# Altium PCB PCB3.PcbDoc (part 6 of 8)
Units mil, origin at the board's own origin, x right, y up, seen from the top; angles counter-clockwise.
Board outline 4763.78 x 6574.87 mil, 6 copper layers (Top Layer, GND, ADDR, DATA, VCC, Bottom Layer), stack 77.691 mil thick; 402 components, 418 nets, 1809 pads, 1202 vias.
Unrouted connection lines stored in the file: 117.
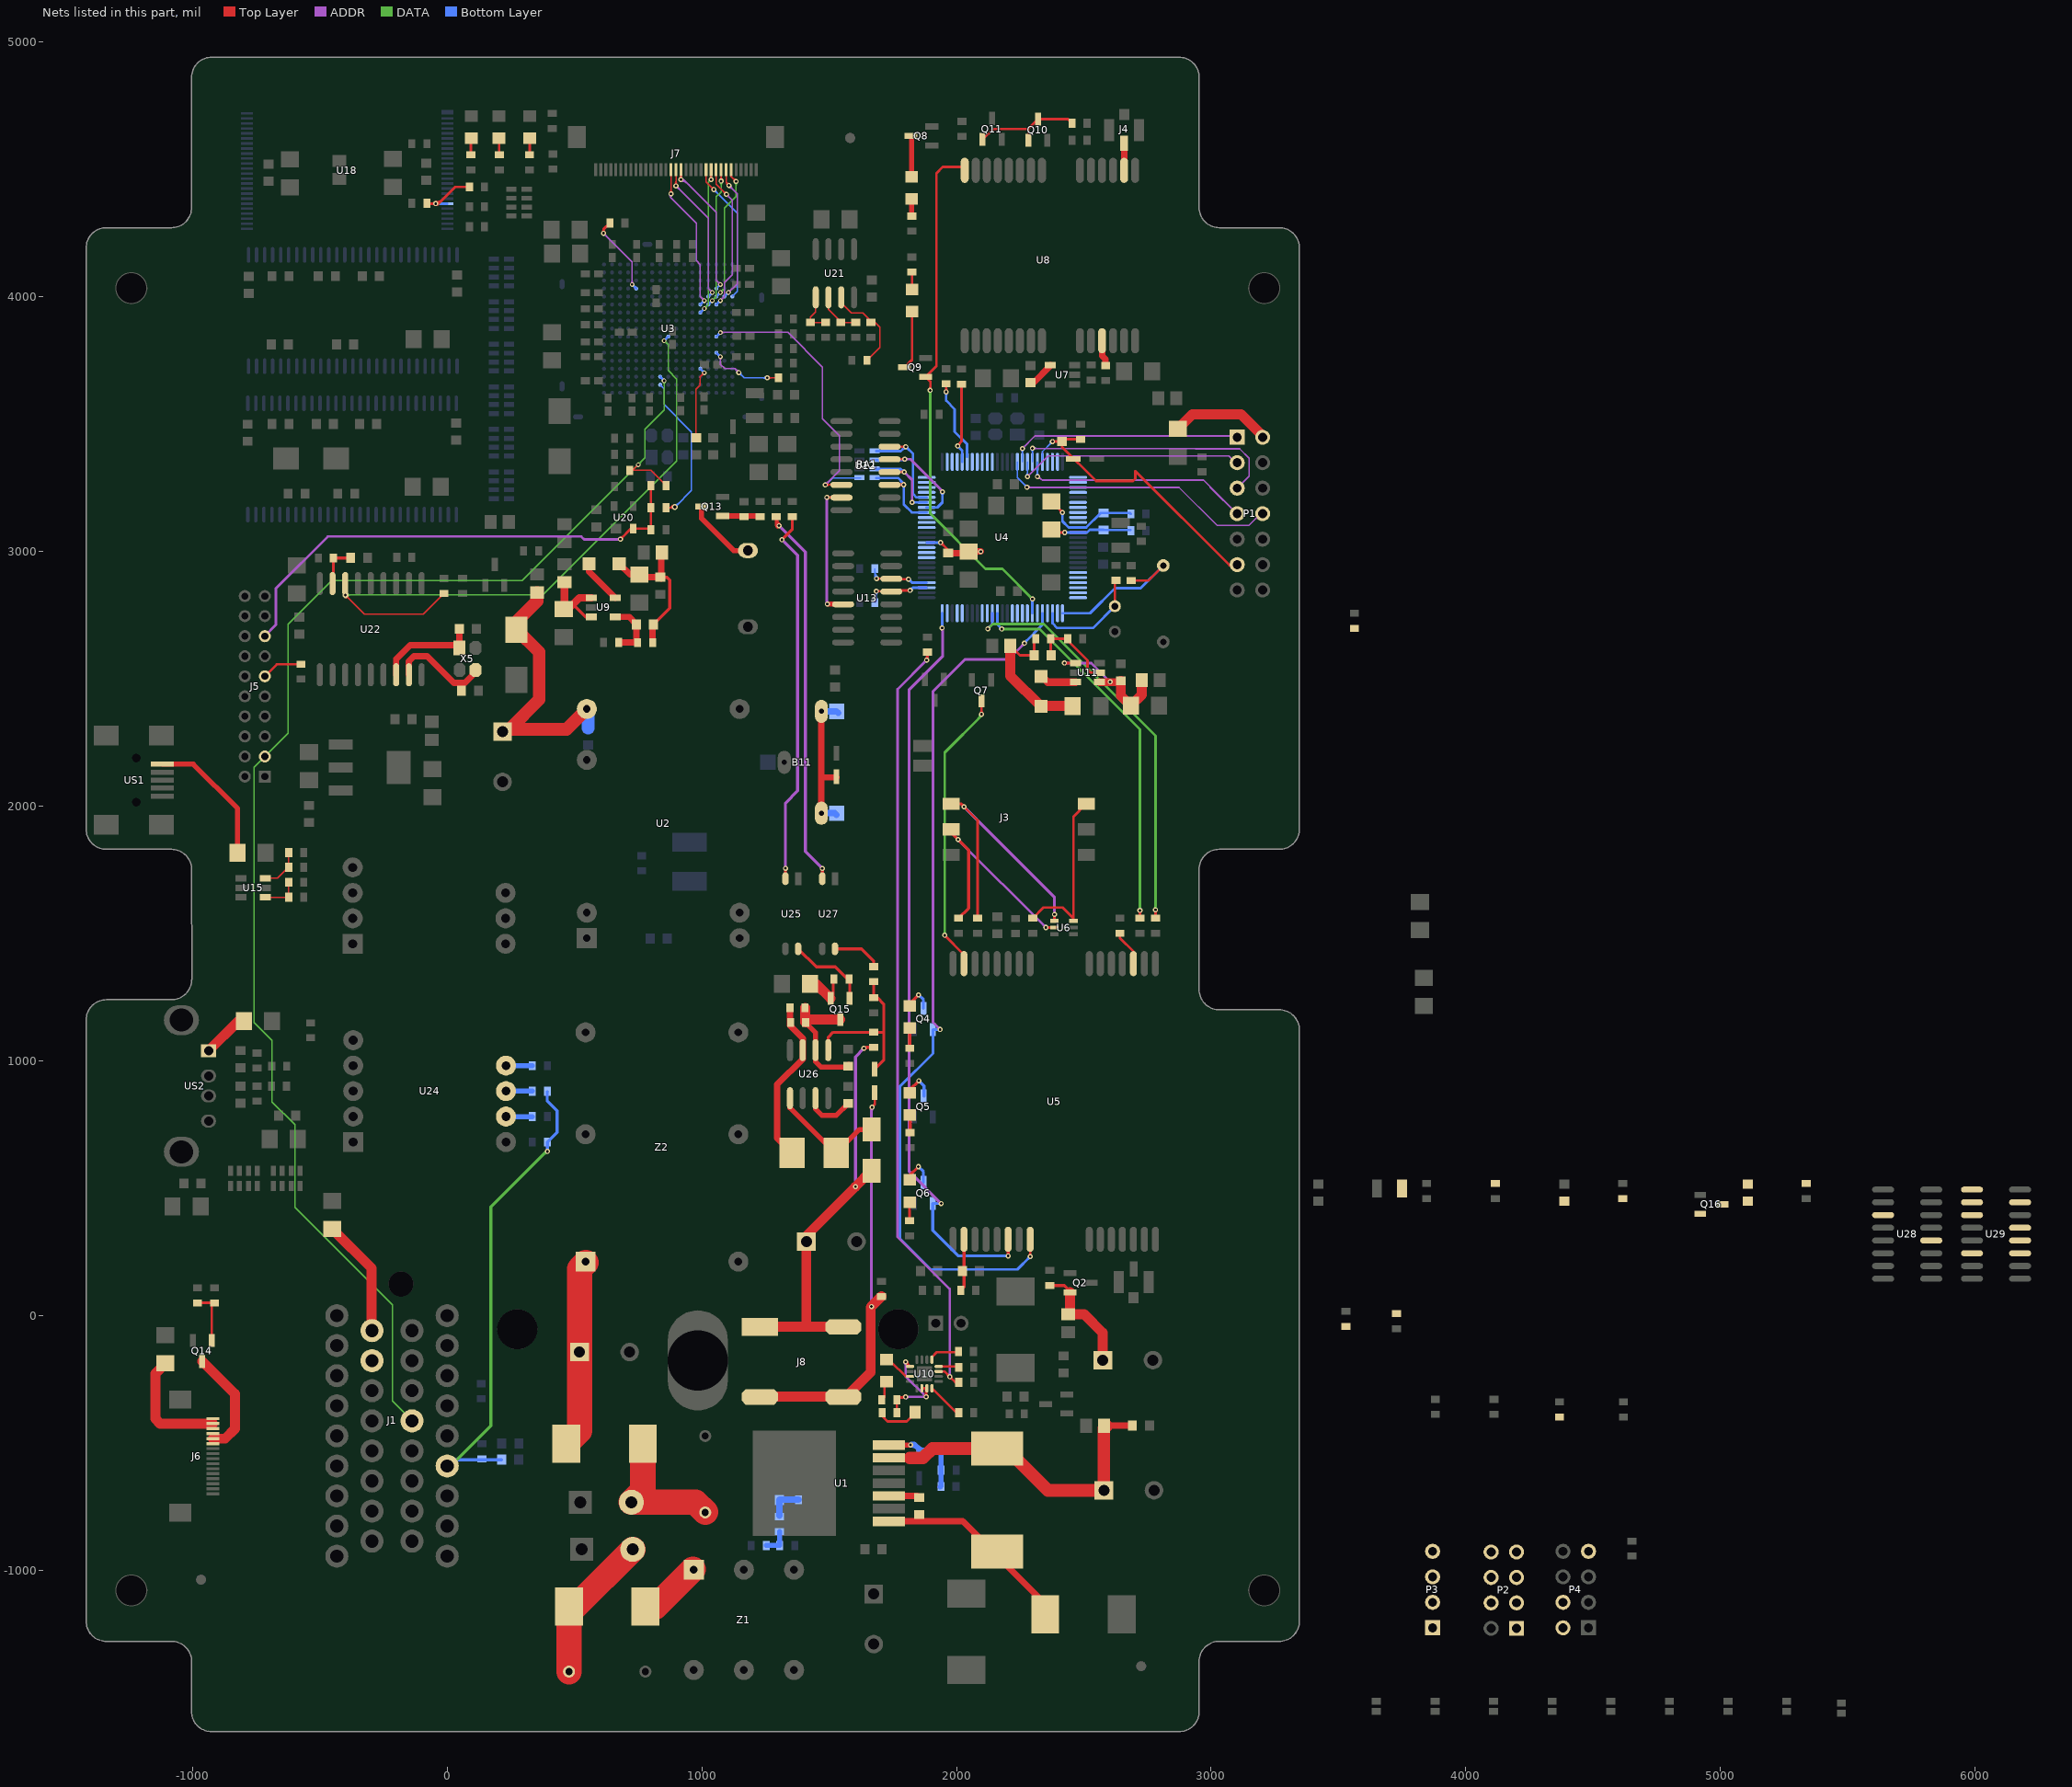
[diagram p10: the nets of this part, all layers, seen from the top]

## Via types
v1: diameter 18, hole 10, Top Layer to Bottom Layer, tented both sides, 404 vias
v2: diameter 20, hole 10, Top Layer to Bottom Layer, tented both sides, 379 vias
v3: diameter 25, hole 15, Top Layer to Bottom Layer, tented both sides, 363 vias
v4: diameter 23.62, hole 11.81, Top Layer to Bottom Layer, tented both sides, 51 vias
v5: diameter 50, hole 28, Top Layer to Bottom Layer, tented both sides, 4 vias
v6: diameter 30, hole 15, Top Layer to Bottom Layer, tented both sides, 1 vias

## Nets (pads, with @x,y where several pads share a name; then routed paths per layer and width w, separated by ;. In a path a pad name is that pad's centre, name@x,y a point inside that pad or via, vN(x,y) a via of type N, cw(c..) or ccw(c..) an arc to the next point about the centre after c; other vN are vias at no path point) (continued)
LVD13: J7.16 U3.R4 | length 707.3
  Top Layer w5: v2@912.85,4466.09 ccw(c900.04,4478.89) 918.15,4478.89 ccw(c936.26,4478.89) v2@923.45,4466.09 ; v2(918.15,4460.79) J7.16@918.15,4499.87
  ADDR w5: v2@918.15,4453.29 cw(c918.15,4409.04) 949.44,4440.33 ; v2@918.15,4458.29 cw(c918.15,4426.11) 940.9,4448.86 ; v2(918.15,4460.79) 928.98,4460.79 ; v2@918.15,4463.29 cw(c918.15,4443.18) 932.37,4457.4 ; v2@925.17,4458.15 cw(c928.98,4456.72) 928.98,4460.79 ; v2@925.17,4463.42 ccw(c928.98,4464.85) 928.98,4460.79 ; v1@1066.31,4048.66 ccw(c1050.61,4048.66) 1061.71,4059.76 ccw(c1072.81,4070.85) v1@1072.81,4055.16 ; v1(1072.81,4048.66) 1057.06,4064.41 1057.06,4332.7 928.98,4460.79
  Bottom Layer w5: U3.R4@1057.06,4032.92 v1(1072.81,4048.66) ; v1@1066.31,4048.66 cw(c1050.62,4048.66) 1061.71,4037.57 cw(c1072.81,4026.47) v1@1072.81,4042.16
LVD14: J7.17 U3.P5 | length 660.8
  Top Layer w5: v2@893.16,4441.48 ccw(c880.36,4454.29) 898.47,4454.29 ccw(c916.57,4454.29) v2@903.77,4441.48 ; v2(898.47,4436.18) J7.17@898.47,4499.87
  ADDR w5: v2@898.47,4428.68 cw(c898.47,4410.57) 911.27,4423.38 cw(c924.07,4436.18) v2@905.97,4436.18 ; v2(898.47,4436.18) 1025.57,4309.08 1025.57,4032.92 v1(1041.31,4017.17) ; v1@1034.81,4017.17 ccw(c1019.12,4017.17) 1030.22,4028.26 ccw(c1041.31,4039.36) v1@1041.31,4023.67
  Bottom Layer w10: U3.P5@1025.57,4001.42 v1(1041.31,4017.17) ; v1@1037.31,4017.17 cw(c1027.66,4017.17) 1034.49,4010.34 cw(c1041.31,4003.51) v1@1041.31,4013.17
LVD15: J7.18 U3.N6 | length 677.1
  Top Layer w5: v2@873.48,4409.7 ccw(c860.67,4422.5) 878.78,4422.5 ccw(c896.89,4422.5) v2@884.08,4409.7 ; v2(878.78,4404.4) J7.18@878.78,4499.87
  ADDR w5: v2@873.48,4399.09 cw(c865.11,4390.73) 876.94,4390.73 ; 876.94,4389.67 cw(c885.72,4389.67) v2@881.98,4397.61 ; v2@876.94,4402.56 876.94,4389.79 978.09,4288.64 978.09,4142.4 994.07,4126.42 994.07,4001.42 v1(1009.82,3985.67) ; v1@1003.32,3985.67 ccw(c987.63,3985.67) 998.72,3996.77 ccw(c1009.82,4007.86) v1@1009.82,3992.17
  Bottom Layer w10: U3.N6@994.07,3969.92 v1(1009.82,3985.67) ; v1@1005.82,3985.67 cw(c996.16,3985.67) 1002.99,3978.84 cw(c1009.82,3972.02) v1@1009.82,3981.67
LVD18: J7.6 U3.R5 | length 635.6
  Top Layer w5: J7.6@1115,4499.87 1115,4473.58 v2(1134.84,4453.74) ; v2@1127.34,4453.74 ccw(c1109.24,4453.74) 1122.04,4466.54 ccw(c1134.84,4479.35) v2@1134.84,4461.24
  DATA w5: v1(1072.81,4017.17) 1088.81,4033.16 1088.81,4348.15 1134.84,4394.19 v2(1134.84,4453.74) ; v1@1072.81,4023.67 ccw(c1072.81,4039.36) 1083.91,4028.26 ccw(c1095,4017.17) v1@1079.31,4017.17 ; v2@1129.54,4448.44 cw(c1116.74,4435.63) 1134.84,4435.63 cw(c1152.95,4435.63) v2@1140.15,4448.44
  Bottom Layer w10: U3.R5@1057.06,4001.42 v1(1072.81,4017.17) ; v1@1068.81,4017.17 cw(c1059.15,4017.17) 1065.98,4010.34 cw(c1072.81,4003.51) v1@1072.81,4013.17
LVD19: J7.7 U3.T5 | length 632.7
  Top Layer w5: J7.7@1095.32,4499.87 1095.32,4448.98 ; v2@1098.85,4438.85 ccw(c1086.59,4440.25) 1095.32,4448.98 ; v2@1105.44,4445.44 cw(c1104.04,4457.7) 1095.32,4448.98 ; v2(1106.3,4437.99) 1095.32,4448.98
  Top Layer w6: v1(1104.31,4017.17) v1@1109.34,4017.17
  ADDR w5: v1(1104.31,4017.17) 1138.78,4051.64 1138.78,4405.51 v2(1106.3,4437.99) ; v1@1104.31,4023.67 ccw(c1104.31,4039.36) 1115.4,4028.26 ccw(c1126.5,4017.17) v1@1110.81,4017.17 ; v2@1106.3,4430.49 cw(c1106.3,4412.39) 1119.1,4425.19 cw(c1131.91,4437.99) v2@1113.8,4437.99
  Bottom Layer w10: U3.T5@1088.56,4001.42 v1(1104.31,4017.17) ; v1@1100.31,4017.17 cw(c1090.65,4017.17) 1097.48,4010.34 cw(c1104.31,4003.51) v1@1104.31,4013.17
LVD20: J7.8 U3.P6 | length 647.3
  Top Layer w5: v2@1070.33,4459.87 ccw(c1057.52,4472.68) 1075.63,4472.68 ccw(c1093.74,4472.68) v2@1080.93,4459.87 ; v2(1075.63,4454.57) J7.8@1075.63,4499.87
  DATA w5: v1(1041.31,3985.67) 1057.06,4001.42 1057.06,4393.68 1075.79,4412.4 v2@1075.79,4454.41 ; v1@1041.31,3992.17 ccw(c1041.31,4007.86) 1052.41,3996.77 ccw(c1063.51,3985.67) v1@1047.81,3985.67 ; v2@1070.33,4449.27 cw(c1057.15,4436.08) 1075.79,4436.08 ; 1075.79,4436.84 cw(c1093.36,4436.84) v2@1080.93,4449.27
  Bottom Layer w10: U3.P6@1025.57,3969.92 v1(1041.31,3985.67) ; v1@1037.31,3985.67 cw(c1027.66,3985.67) 1034.49,3978.84 cw(c1041.31,3972.02) v1@1041.31,3981.67
LVD21: J7.9 U3.R6 | length 679.3
  Top Layer w5: J7.9@1055.95,4499.87 1055.95,4443.5 v2(1096.89,4402.56) ; v2@1089.39,4402.56 ccw(c1071.28,4402.56) 1084.09,4415.36 ccw(c1096.89,4428.17) v2@1096.89,4410.06
  ADDR w5: v1(1072.81,3985.67) 1088.81,4001.67 1088.81,4023.59 1088.81,4055.34 1120.05,4086.59 1120.05,4379.4 v2(1096.89,4402.56) ; v1@1072.81,3992.17 ccw(c1072.81,4007.86) 1083.91,3996.77 ccw(c1095,3985.67) v1@1079.31,3985.67 ; v2@1096.89,4395.06 cw(c1096.89,4376.95) 1109.69,4389.76 cw(c1122.5,4402.56) v2@1104.39,4402.56
  Bottom Layer w10: U3.R6@1057.06,3969.92 v1(1072.81,3985.67) ; v1@1068.81,3985.67 cw(c1059.15,3985.67) 1065.98,3978.84 cw(c1072.81,3972.02) v1@1072.81,3981.67
LVD22: J7.10 U3.N7 | length 668.4
  Top Layer w5: v2@1030.96,4465.78 ccw(c1018.15,4478.58) 1036.26,4478.58 ccw(c1054.37,4478.58) v2@1041.56,4465.78 ; v2(1036.26,4460.47) J7.10@1036.26,4499.87
  DATA w5: v1(1009.82,3954.17) 1025.57,3969.92 1025.57,4449.78 ; v1@1009.82,3960.67 ccw(c1009.82,3976.37) 1020.92,3965.27 ccw(c1032.01,3954.17) v1@1016.32,3954.17 ; v2@1028.83,4459.46 cw(c1017.43,4457.91) 1025.57,4449.78 ; v2@1035.25,4453.04 ccw(c1033.7,4441.64) 1025.57,4449.78 ; v2(1036.26,4460.47) 1025.57,4449.78
  Bottom Layer w10: U3.N7@994.07,3938.43 v1(1009.82,3954.17) ; v1@1005.82,3954.17 cw(c996.16,3954.17) 1002.99,3947.35 cw(c1009.82,3940.52) v1@1009.82,3950.17
LVD23: J7.11 U3.U5 | length 614.5
  Top Layer w5: J7.11@1016.58,4499.87 1016.58,4452.34 v2(1047.24,4421.67) ; v2@1039.74,4421.67 ccw(c1021.64,4421.67) 1034.44,4434.47 ccw(c1047.24,4447.28) v2@1047.24,4429.17
  Bottom Layer w5: v2@1047.24,4414.17 cw(c1047.24,4396.06) 1060.05,4408.87 cw(c1072.85,4421.67) v2@1054.74,4421.67 ; v2(1047.24,4421.67) 1139.74,4329.17 1139.74,4021.1 U3.U5@1120.05,4001.42
M\R\: J1.16
MNSS1/EINT11/GPG3: P3.4 RA1.4 U4.68 U12.11 | length 410
  Top Layer w10: U12.11@1737.2,3262.6 v2(1792.52,3262.6) ; v2@1788.98,3259.06 ccw(c1780.45,3250.53) 1780.45,3262.6 ccw(c1780.45,3274.67) v2@1788.98,3266.13
  Bottom Layer w10: RA1.4@1684.53,3289.04 1770.02,3289.04 v2@1793.31,3265.75 ; 1781.2,3277.85 cw(c1765.94,3262.6) v2@1787.52,3262.6 ; v2@1788.98,3259.06 cw(c1778.55,3248.63) 1793.31,3248.63 ; 1793.31,3252.43 cw(c1802.69,3252.43) v2@1796.06,3259.06 ; v2@1793.31,3263.78 1793.31,3185.04 1824.8,3153.54 U4.68@1882.87,3153.54
MPLLCAP: C28.1 U3.N14 | length 338.3
  Top Layer w5: C28.1@965.53,3444.33 977.34,3456.14 977.34,3637.25 993.82,3653.73 993.82,3686.21 v1(1009.82,3702.21) ; v1@1003.32,3702.21 cw(c987.63,3702.21) 998.72,3691.11 cw(c1009.82,3680.01) v1@1009.82,3695.71
  Bottom Layer w10: U3.N14@994.07,3717.95 v1(1009.82,3702.21) ; v1@1005.82,3702.21 ccw(c996.16,3702.21) 1002.99,3709.03 ccw(c1009.82,3715.86) v1@1009.82,3706.21
MRST: C42.1 D7.1 P1.11 P2.3 P4.4 Q16.3 R11.2 U4.96 | length 1194.2
  Top Layer w10: v2(2376.97,3432.09) C42.1@2414.37,3432.09 ; v2@2380.5,3428.55 cw(c2389.04,3420.02) 2389.04,3432.09 cw(c2389.04,3444.16) v2@2380.5,3435.62 ; C42.1@2414.37,3427.17 2414.37,3410.43 2548.23,3276.57 2692.91,3276.57 2702.76,3286.42 2702.76,3315.94 3071.85,2946.85 P1.11@3104.33,2946.85 ; C42.1@2418.31,3433.07 2426.18,3440.94 R11.2@2487.2,3440.94
  Bottom Layer w6: U4.96@2337.6,3352.36 2337.6,3392.72 v2@2373.03,3428.15 ; v2@2369.97,3432.09 cw(c2353.07,3432.09) 2365.02,3420.14 cw(c2376.97,3408.19) v2@2376.97,3425.09
MSPICLK1/GPG7: P3.3 RA1.1 U4.71 U12.14 | length 475.3
  Top Layer w10: U12.14@1755.91,3412.4 1756.89,3411.42 v2(1801.18,3411.42) ; v2@1797.65,3407.88 ccw(c1789.11,3399.35) 1789.11,3411.42 ccw(c1789.11,3423.49) v2@1797.65,3414.95
  Bottom Layer w10: RA1.1@1684.53,3394.04 1780.85,3394.04 v2@1798.23,3411.42 ; 1787.6,3400.79 cw(c1801.18,3387.22) 1801.18,3406.42 cw(c1801.18,3394.35) 1809.72,3402.88 cw(c1818.25,3411.42) v2@1806.18,3411.42 ; v2(1801.18,3411.42) 1829.72,3382.87 1829.72,3226.38 1843.5,3212.6 U4.71@1882.87,3212.6
MSPISI1/GPG6: P3.1 RA1.2 U4.69 U12.13 | length 581.5
  Top Layer w10: U12.13@1737.2,3362.6 v2(1796.85,3362.6) ; v2@1793.31,3359.06 ccw(c1784.78,3350.53) 1784.78,3362.6 ccw(c1784.78,3374.67) v2@1793.31,3366.13
  ADDR w10: v2(1796.85,3362.6) 1819.49,3362.6 v2@1946.85,3235.24 ; v2@1800.39,3359.06 cw(c1808.92,3350.53) 1808.92,3362.6 cw(c1808.92,3374.67) v2@1800.39,3366.13 ; 1934.26,3247.83 cw(c1920.68,3234.25) v2@1939.88,3234.25
  Bottom Layer w5: v2@1798.01,3359.04 v2@1800.2,3361.22
  Bottom Layer w10: RA1.2@1684.53,3359.04 v2@1798.01,3359.04 ; 1776.18,3359.04 ccw(c1776.18,3383.27) v2@1793.31,3366.13 ; U4.69@1882.87,3173.23 1925.2,3173.23 1944.88,3192.91 v2(1944.88,3234.25) ; v2@1941.35,3230.72 cw(c1932.81,3222.18) 1944.88,3222.18 cw(c1956.95,3222.18) v2@1948.42,3230.72
MSPISO1/GPG5: P3.2 RA1.3 U4.70 U12.12 | length 453.4
  Top Layer w10: U12.12@1737.2,3312.6 v2(1794.69,3312.6) ; v2@1791.15,3309.06 ccw(c1782.61,3300.53) 1782.61,3312.6 ccw(c1782.61,3324.67) v2@1791.15,3316.13
  ADDR w10: v2@1793.31,3312.01 1795.28,3312.01 1825.79,3281.5 v2(1825.79,3192.91) ; v2@1794.69,3307.6 cw(c1794.69,3295.53) 1803.22,3304.06 cw(c1811.76,3312.6) v2@1799.69,3312.6 ; v2@1822.25,3196.45 ccw(c1813.72,3204.98) 1825.79,3204.98 ccw(c1837.86,3204.98) v2@1829.32,3196.45
  Bottom Layer w10: RA1.3@1684.53,3324.04 1780.3,3324.04 v2@1793.31,3311.02 ; 1781.11,3323.22 ccw(c1794.69,3336.8) v2@1794.69,3317.6 ; v2(1825.79,3192.91) U4.70@1882.87,3192.91 ; v2@1829.32,3189.38 cw(c1837.86,3180.84) 1837.86,3192.91 cw(c1837.86,3204.98) v2@1829.32,3196.45
MTCK: P1.7 P2.4 P4.2 U4.95 | length 1109.2
  ADDR w6: v2@2317.98,3293.29 cw(c2318.83,3281.33) 2327.32,3289.81 ; v2@2318.41,3287.31 cw(c2320.06,3263.96) 2336.61,3280.51 ; v2@2320.87,3296.26 2336.61,3280.51 ; 2996.06,3252.95 P1.7@3103.35,3145.67 ; P1.7@3102.36,3148.82 2970.67,3280.51 2336.61,3280.51
  Bottom Layer w6: v2@2312.96,3299.24 ccw(c2301.01,3311.19) 2317.91,3311.19 ccw(c2334.81,3311.19) v2@2322.86,3299.24 ; v2(2317.91,3294.29) U4.95@2317.91,3352.36
MTDI: P1.3 P2.6 U4.93 | length 985.1
  ADDR w6: v2(2278.54,3294.29) 2360.24,3375.98 3069.88,3375.98 P1.3@3104.33,3341.54 ; v2@2278.54,3301.29 ccw(c2278.54,3318.19) 2290.49,3306.24 ccw(c2302.44,3294.29) v2@2285.54,3294.29
  Bottom Layer w6: v2@2273.59,3299.24 ccw(c2261.64,3311.19) 2278.54,3311.19 ccw(c2295.44,3311.19) v2@2283.49,3299.24 ; v2(2278.54,3294.29) U4.93@2278.54,3352.36
MTDO: P1.1 P2.7 U4.92 | length 984.7
  ADDR w6: v2(2258.86,3404.53) 2308.07,3453.74 3098.43,3453.74 P1.1@3112.2,3439.96 ; v2@2258.86,3411.53 ccw(c2258.86,3428.43) 2270.81,3416.48 ccw(c2282.76,3404.53) v2@2265.86,3404.53
  Bottom Layer w6: v2@2253.91,3399.58 cw(c2241.96,3387.63) 2258.86,3387.63 cw(c2275.76,3387.63) v2@2263.81,3399.58 ; U4.92@2258.86,3352.36 v2(2258.86,3404.53)
MTEST: P1.8 P2.8 P4.7 U4.91 | length 1174.6
  ADDR w6: v2@2275.59,3254.92 v2@2277.56,3252.95 ; v2@2279.53,3254.92 2282.48,3251.97 2874.02,3251.97 3022.64,3103.35 3149.61,3103.35 P1.8@3199.8,3153.54 ; v2@2281.52,3248 cw(c2291.1,3238.43) 2291.1,3251.97 ; v2@2281.52,3257.9 ccw(c2295.85,3272.23) 2295.85,3251.97
  Bottom Layer w6: U4.91@2239.17,3352.36 2239.17,3290.35 v2(2276.57,3252.95) ; v2@2269.57,3252.95 ccw(c2252.68,3252.95) 2264.62,3264.9 ccw(c2276.57,3276.85) v2@2276.57,3259.95
MTMS: P1.5 P2.5 U4.94 | length 1115.3
  ADDR w6: v2(2298.23,3405.51) 2299.48,3404.26 2938.98,3404.26 ; v2@2303.18,3400.56 cw(c2312.11,3391.63) 2312.11,3404.26 ; v2@2303.18,3410.46 ccw(c2318.15,3425.43) 2318.15,3404.26 ; 2938.98,3403.54 3112.2,3403.54 3149.61,3366.14 3149.61,3296.06 P1.5@3102.36,3248.82 ; P1.5@3101.97,3248.43 P1.5@3105.32,3245.08
  Bottom Layer w6: v2@2293.28,3400.56 cw(c2281.33,3388.61) 2298.23,3388.61 cw(c2315.13,3388.61) v2@2303.18,3400.56 ; U4.94@2298.23,3352.36 v2(2298.23,3405.51)
NCON: R20.2 RN3.1 U3.R12 | length 458
  Top Layer w5: v2(1256.89,3682.09) R20.2@1301.19,3682.09 ; v2@1262.2,3676.79 cw(c1275,3663.98) 1275,3682.09 cw(c1275,3700.2) v2@1262.2,3687.39
  ADDR w5: v1@1068.21,3760.6 cw(c1057.12,3749.51) 1072.81,3749.51 cw(c1088.5,3749.51) v1@1077.41,3760.6 ; v1(1072.81,3765.2) 1072.81,3735.26 1090.36,3717.71 1130.72,3717.71 1145.49,3702.94 v2(1145.73,3702.94) ; 1132.52,3715.91 ccw(c1145.73,3729.11) v2@1145.73,3710.44 ; 1133.09,3715.34 cw(c1120.69,3702.94) v2@1138.23,3702.94
  Bottom Layer w5: v2@1144.69,3704.72 1167.32,3682.09 v2(1256.89,3682.09) ; v2@1145.73,3695.44 cw(c1145.73,3675.53) 1159.8,3689.6 ; v2@1153.23,3702.94 ccw(c1169.53,3702.94) 1158,3691.41 ; v2@1251.59,3676.79 ccw(c1238.79,3663.98) 1238.79,3682.09 ccw(c1238.79,3700.2) v2@1251.59,3687.39
  Bottom Layer w10: U3.R12@1057.06,3780.95 v1(1072.81,3765.2) ; v1@1068.81,3765.2 ccw(c1059.15,3765.2) 1065.98,3772.03 ccw(c1072.81,3778.86) v1@1072.81,3769.2
NetB1_1: B1.1 R30.1 | length 79.5
  Top Layer w12: R30.1@1816.93,1049.21 B1.1@1816.93,1128.74
NetB1_2: B1.2 Q4.3 | length 118.3
  Top Layer w12: B1.2@1816.93,1215.75 1816.93,1224.41 v2(1851.38,1258.86)
  Bottom Layer w12: v2(1851.38,1258.86) 1870.08,1240.16 Q4.3@1870.08,1205.71
NetB2_1: B2.1 R31.1 | length 67.6
  Top Layer w12: R31.1@1817.91,718.5 B2.1@1817.91,786.14
NetB2_2: B2.2 Q5.3 | length 131.4
  Top Layer w12: B2.2@1816.93,874.13 1816.93,886.81 v2(1852.36,922.24)
  Bottom Layer w12: v2(1852.36,922.24) 1873.03,901.57 Q5.3@1873.03,862.2
NetB3_1: B3.1 R32.1 | length 73.9
  Top Layer w12: R32.1@1815.94,372.05 1815.94,444.53 B3.1@1816.93,445.51
NetB3_2: B3.2 Q6.3 | length 136.1
  Top Layer w12: B3.2@1816.93,532.52 1816.93,551.18 v2(1850.39,584.65)
  Bottom Layer w12: v2(1850.39,584.65) 1870.08,564.96 Q6.3@1870.08,522.64
NetB4_1: B4.1 R39.1 | length 68.1
  Top Layer w20: B4.1@1823.82,4384.65 1823.82,4317.91 R39.1@1824.8,4316.93
NetB4_2: B4.2 Q8.3 | length 161.5
  Top Layer w20: Q8.3@1820.87,4631.89 1823.82,4628.94 B4.2@1823.82,4471.65
NetB5_1: B5.1 R40.1 | length 68.1
  Top Layer w10: R40.1@1824.78,4097.57 1825.76,4096.59 B5.1@1825.76,4029.86
NetB5_2: B5.2 Q9.3 | length 231.6
  Top Layer w10: Q9.3@1796.26,3723.43 1825.76,3752.93 B5.2@1825.76,3942.85
NetB6_1: B6.1 R49.2 | length 74.4
  Top Layer w10: R49.2@1706.69,-330.71 1717.52,-319.88 B6.1@1717.52,-260.83
NetB7_1: B7.1 R50.2 | length 156.6
  Top Layer w10: R50.2@1706.69,-392.72 1729.33,-415.35 1805.12,-415.35 1837.4,-383.07 B7.1@1837.4,-379.92
NetB8_2: B8.2 R70.1 | length 62.8
  Top Layer w10: R70.1@93.48,4558.23 B8.2@93.48,4621.02
NetB9_2: B9.2 R71.1 | length 64.3
  Top Layer w10: R71.1@323.82,4558.72 B9.2@323.82,4622.99
NetB10_2: B10.2 R72.1 | length 65.2
  Top Layer w10: B10.2@203.74,4622.99 203.74,4559.21 R72.1@204.72,4558.23
NetB11_1: B11.1 D9.1 | length 611.8
  Top Layer w10: D9.1@1527.06,2113.19 D9.1@1529.46,2115.59
  Top Layer w25: B11.1@1466.54,1955.71 1469.49,1958.66 B11.1@1469.49,1972.44 1469.49,2113.19 ; B11.1@1469.49,2372.44 1469.49,2113.19 ; D9.1@1529.53,2113.19 1527.06,2113.19 1469.49,2113.19
  Bottom Layer w25: B11.1@1469.46,1972.85 1522.23,1972.85 B11.1@1528.54,1966.54 ; B11.1@1469.46,2372.85 1528.73,2372.85 B11.1@1535.43,2366.14
NetC2_1: C2.1 D3.2 L1.1 U1.1 | length 789
  Top Layer w25: U1.1@1734.68,-808.15 2024.46,-808.15 2348.46,-1132.15 D3.2@2348.46,-1173.15
NetC2_2: C2.2 U1.3 | length 121.3
  Top Layer w25: U1.3@1734.68,-708.15 1846.93,-708.15 C2.2@1853.35,-714.57
NetC3_1: C3.1 CV2.1 L1.2 LR1.1 U1.6 | length 1260.5
  Top Layer w25: U1.6@1734.68,-558.15 1816.93,-558.15 ; LR1.1@2579.72,-442.91 LR1.1@2579.72,-433.07 ; LR1.1@2588.58,-432.09 C3.1@2690.95,-432.09
  Top Layer w50: 1816.93,-559.06 1868.11,-559.06 1905.51,-521.65 L1.2@2159.45,-521.65 ; L1.2@2194.88,-521.65 2359.25,-686.02 CV2.1@2578.74,-686.02 2578.74,-443.9 2579.72,-442.91 LR1.1@2588.58,-434.06
NetC4_1: C4.1 D2.1 R1.2 R2.1 U1.7 | length 435.6
  Top Layer w20: U1.7@1734.68,-508.15 v2(1819.61,-508.15)
  Bottom Layer w20: v2@1818.9,-508.86 1838.58,-508.86 ; D2.1@1850.79,-521.07 ccw(c1819.61,-552.26) v2(1819.61,-508.15) cw(c1828.71,-518.73) 1838.58,-508.86 ; D2.1@1852.96,-545.97 D2.1@1852.96,-528.54 ; C4.1@1930.12,-528.54 D2.1@1852.96,-528.54 ; C4.1@1935.04,-521.65 1939.96,-526.57 R2.1@1939.96,-607.28 1939.96,-669.29 R1.2@1936.02,-673.23 ; 1838.58,-508.86 1852.96,-523.24 D2.1@1852.96,-528.54
NetC5_1: C5.1 R4.2 R5.1 | length 136.8
  Bottom Layer w25: R4.2@1305.12,-786.42 C5.1@1305.12,-724.41 ; C5.1@1305.12,-723.43 R5.1@1379.92,-723.43
NetC8_1: C8.1 CT1.1 CV3.1 LR2.1 U2.14 | length 1087.8
  Top Layer w50: CV3.1@230.29,2301.62 CV3.1@244.07,2301.62 ; LR2.1@353.32,2839.02 353.32,2805.55 272.61,2724.84 CT1.1@272.61,2693.35 361.2,2604.77 361.2,2418.74 CV3.1@244.07,2301.62 ; U2.14@548.46,2381.85 468.23,2301.62 CV3.1@244.07,2301.62
  Bottom Layer w50: U2.14@550.2,2385.83 554.13,2381.89 C8.1@554.13,2307.09
NetC44_1: C44.1 CP9.1 R13.2 U4.11 | length 437.8
  Top Layer w10: CP9.1@2373.03,3196.85 v2(2416.34,3153.54) ; v2@2411.34,3153.54 ccw(c2399.27,3153.54) 2407.8,3162.08 ccw(c2416.34,3170.61) v2@2416.34,3158.54
  Bottom Layer w10: v2@2412.8,3150.01 cw(c2404.27,3141.47) 2416.34,3141.47 cw(c2428.41,3141.47) v2@2419.87,3150.01 ; v2(2416.34,3153.54) 2416.34,3119.09 2440.94,3094.49 U4.11@2477.36,3094.49 2509.84,3094.49 2566.93,3151.57 C44.1@2577.76,3151.57 2681.1,3151.57 R13.2@2685.04,3147.64
NetC44_2: C44.2 CP9.2 R14.2 U4.12 | length 356.4
  Top Layer w10: CP9.2@2373.03,3086.61 2384.84,3074.8 v2(2425.2,3074.8) ; v2@2421.66,3071.27 ccw(c2413.13,3062.73) 2413.13,3074.8 ccw(c2413.13,3086.87) v2@2421.66,3078.34
  Bottom Layer w10: v2(2425.2,3074.8) U4.12@2477.36,3074.8 2512.8,3074.8 2523.63,3085.63 C44.2@2577.76,3085.63 ; v2@2428.73,3071.27 cw(c2437.27,3062.73) 2437.27,3074.8 cw(c2437.27,3086.87) v2@2428.73,3078.34 ; C44.2@2577.76,3084.65 R14.2@2682.09,3084.65
NetC47_1: C47.1 CP12.1 U4.62 | length 277
  Top Layer w10: v2@1937.99,3030.43 cw(c1937.99,3018.36) 1946.53,3026.9 cw(c1955.06,3035.43) v2@1942.99,3035.43 ; v2(1937.99,3035.43) 1967.52,3005.91 C47.1@1967.52,2994.09
  Top Layer w25: C47.1@1967.52,2994.09 2041.34,2994.09 CP12.1@2047.24,3000 v2(2095.47,3000)
  Bottom Layer w10: U4.62@1882.87,3035.43 v2(1937.99,3035.43) ; v2@1934.46,3031.9 ccw(c1925.92,3023.36) 1925.92,3035.43 ccw(c1925.92,3047.5) v2@1934.46,3038.97
NetC51_1: C51.1 RN6.1 U5.17 | length 205.1
  Top Layer w12: RN6.1@2016.79,99.41 2029.53,112.14 U5.17@2029.53,299.21
NetC54_1: C54.1 U7.4 | length 107
  Top Layer w25: C54.1@2291.34,3663.39 2303.15,3663.39 2369.09,3729.33 U7.4@2369.09,3731.3
NetC55_1: C55.1 C56.1 CP15.1 L2.2 LR7.1 R47.1 | length 593.5
  Top Layer w12: C55.1@810.01,2714.02 873.99,2777.99 873.99,2888.23 863.16,2899.06 840.55,2899.06 C56.1@837.57,2899.06
  Top Layer w25: L2.2@675.17,2952.21 717.49,2909.88 CP15.1@754.9,2909.88 757.85,2912.84 771.63,2899.06 C56.1@837.57,2899.06 ; R47.1@807.06,2642.17 807.06,2711.07 C55.1@810.01,2714.02 ; C56.1@840.55,2893.7 840.55,2899.06 LR7.1@840.55,2985.64